# KiCad board USB Keypad.kicad_pcb (continued)
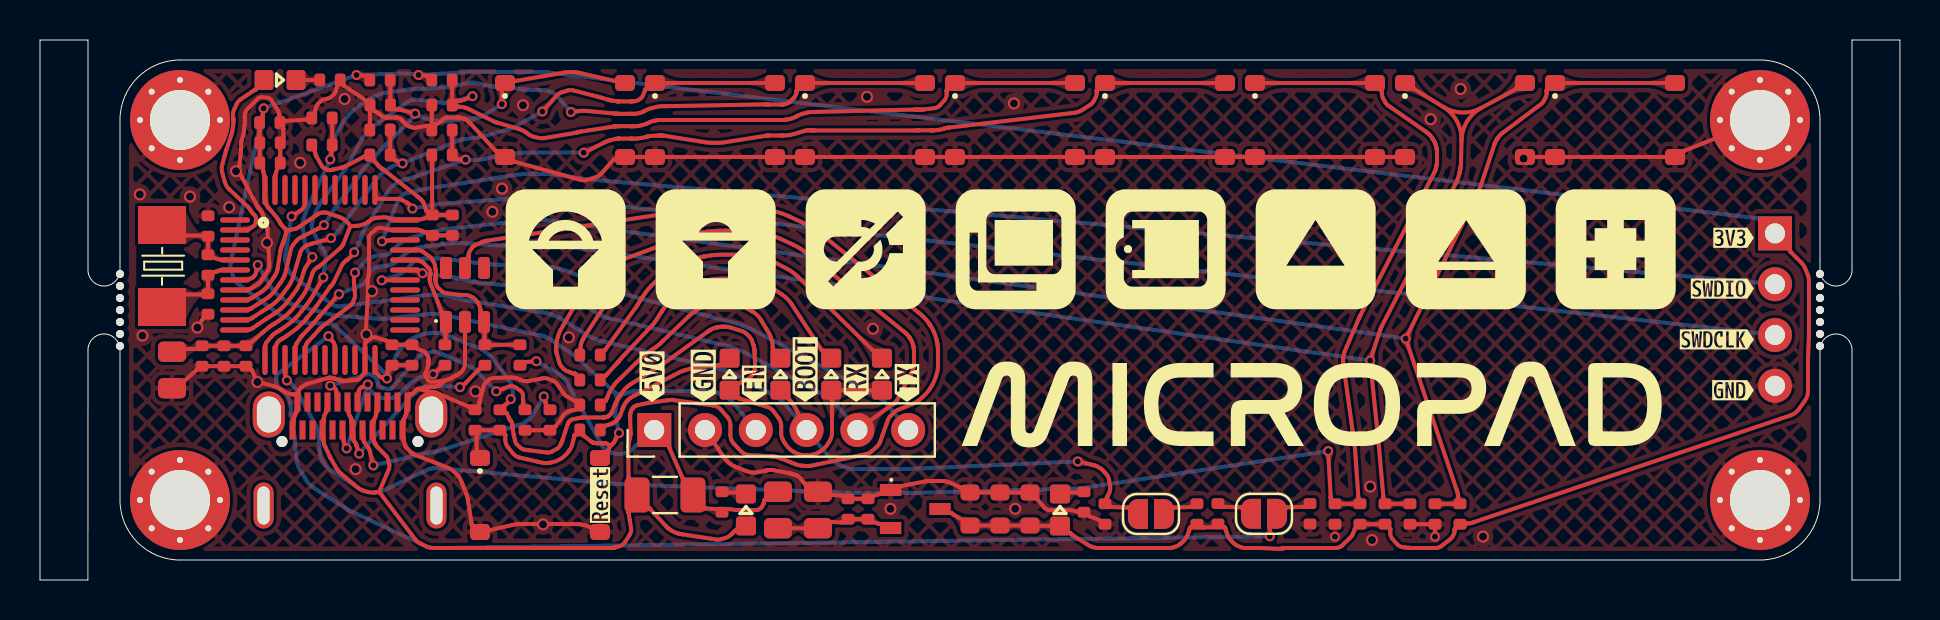
[diagram p0: board, top side]
## Routing (per net, layer and track width the routed paths; a pad name or vN(x,y) marks a point on that pad's centre or on a via; arc(x,y) is an arc through that point) (continued)
VBUS: length 87
  Top w0.2: 29.65,4.66 29.43,5.12 arc(29.43,5.12) 29.43,5.12 arc(29.43,5.12) 29.43,5.12 29.43,5.12 arc(29.43,5.13) 29.43,5.13 29.41,6.63 29.41,6.66 arc(29.41,6.67) 29.41,6.68 29.41,6.7 arc(29.42,6.71) 29.42,6.73 29.52,7.25 arc(29.52,7.27) 29.53,7.28 29.53,7.32 arc(29.53,7.33) 29.53,7.35 29.53,7.38 29.5,8.16 arc(29.5,8.16) 29.5,8.17 arc(29.5,8.17) 29.5,8.17 29.5,8.18 arc(29.5,8.18) 29.5,8.19 arc(29.5,8.19) 29.5,8.19 29.51,8.28 arc(29.51,8.29) 29.51,8.3 29.51,8.32 arc(29.52,8.33) 29.52,8.34 29.56,8.46 arc(29.56,8.48) 29.57,8.49 29.59,8.52 arc(29.59,8.54) 29.6,8.55 29.68,8.64 arc(29.7,8.66) 29.73,8.68 29.79,8.71 arc(29.81,8.72) 29.85,8.73 30.4,8.85 arc(30.41,8.85) 30.41,8.85 arc(30.42,8.85) 30.42,8.86 30.43,8.86 arc(30.43,8.86) 30.44,8.86 arc(30.44,8.86) 30.45,8.86 31.37,8.98 arc(31.37,8.99) 31.38,8.99 31.5,9 arc(31.52,9) 31.54,9 31.58,9 arc(31.61,9) 31.63,9 33.18,8.79 33.66,8.73 arc(33.87,8.66) 34.05,8.52 34.36,8.16 arc(34.48,7.96) 34.52,7.74 34.52,7.25 arc(34.56,7.01) 34.69,6.81 35.04,6.44 arc(35.23,6.3) 35.46,6.25 36.57,6.18 36.67,6.18 arc(36.72,6.17) 36.77,6.16 36.87,6.14 arc(36.92,6.13) 36.97,6.11 37.06,6.07 37.79,5.78 arc(37.91,5.74) 38.04,5.72 38.31,5.7 arc(38.44,5.7) 38.57,5.72 38.83,5.77 40.97,6.22 41.29,6.29 arc(41.45,6.35) 41.58,6.44 41.83,6.65 arc(41.94,6.78) 42.01,6.92 42.31,7.76 42.39,7.99 arc(42.44,8.1) 42.52,8.19 42.68,8.37 arc(42.77,8.44) 42.88,8.5 43.62,8.79 arc(43.77,8.87) 43.91,8.97 44.05,9.08 arc(44.29,9.31) 44.51,9.58 arc(44.68,9.87) 44.8,10.19 44.85,10.36 arc(44.89,10.52) 44.9,10.69 44.9,11.47 arc(44.9,11.53) 44.9,11.58 44.88,11.7 arc(44.88,11.75) 44.87,11.81 44.82,12.03 arc(44.8,12.14) 44.76,12.25 44.67,12.46 arc(44.62,12.56) 44.57,12.65 44.46,12.81 44.42,12.87 arc(44.37,12.94) 44.31,13.01 44.19,13.14 arc(44.13,13.2) 44.07,13.26 43.93,13.37 39.65,16.82 38.98,17.36 arc(38.63,17.61) 38.25,17.81 37.47,18.18 arc(37.07,18.33) 36.66,18.44 36.04,18.56 arc(35.87,18.59) 35.7,18.61 35.35,18.65 arc(35.18,18.66) 35,18.67 34,18.67 arc(33.86,18.66) 33.73,18.66 33.47,18.64 arc(33.33,18.62) 33.2,18.61 32.94,18.57 22.38,16.97 22.32,16.96 arc(22.29,16.96) 22.26,16.95 22.2,16.93 arc(22.17,16.92) 22.14,16.91 21.73,16.72 arc(21.65,16.67) 21.59,16.6 21.48,16.43 arc(21.44,16.34) 21.43,16.25 21.43,16.15 arc(21.43,16.15) 21.43,16.15 arc(21.43,16.15) 21.43,16.15 arc(21.43,16.14) 21.43,16.14 ESD1.5 ; 29.65,4.66 arc(29.88,4.27) 30.16,3.91 ; 29.65,4.66 arc(29.74,4.25) 29.65,3.84 ; 29.65,3.84 29.43,3.38 arc(29.43,3.38) 29.43,3.38 arc(29.43,3.38) 29.43,3.38 arc(29.43,3.38) 29.43,3.38 29.43,3.37 arc(29.43,3.37) 29.43,3.37 arc(29.43,3.37) 29.43,3.36 29.55,2.61 arc(29.55,2.42) 29.47,2.24 29.26,1.9 arc(29.12,1.76) 28.95,1.68 28.76,1.63 arc(28.76,1.63) 28.75,1.63 arc(28.75,1.63) 28.75,1.63 28.72,1.62 arc(28.69,1.62) 28.66,1.61 28.6,1.6 arc(28.56,1.6) 28.53,1.6 28.51,1.6 arc(28.5,1.6) 28.49,1.6 28.48,1.6 arc(28.48,1.6) 28.48,1.6 arc(28.48,1.6) 28.47,1.6 28.47,1.6 arc(28.46,1.6) 28.45,1.6 27.5,1.6 26.77,1.6 26.57,1.6 26.25,1.6 23.75,1.6 22.8,1.6 22.7,1.6 arc(22.7,1.6) 22.7,1.6 22.51,1.6 arc(22.5,1.6) 22.5,1.6 arc(22.5,1.6) 22.5,1.6 22.48,1.6 arc(22.48,1.6) 22.48,1.6 arc(22.48,1.6) 22.47,1.6 22.47,1.6 arc(22.46,1.6) 22.45,1.6 21.56,1.6 20.39,1.6 19.65,1.6 arc(19.48,1.62) 19.32,1.68 19.01,1.83 arc(18.87,1.92) 18.75,2.05 18.54,2.32 17,4.36 ; 29.65,3.84 arc(29.88,4.01) 30.16,3.91 ; J2.A9 16.83,8.58 arc(16.83,8.53) 16.82,8.48 16.82,8.42 arc(16.82,8.41) 16.82,8.4 16.82,8.39 arc(16.82,8.38) 16.82,8.37 arc(16.82,8.37) 16.82,8.36 16.79,8.23 arc(16.78,8.2) 16.77,8.16 16.74,8.08 arc(16.72,8.05) 16.7,8.02 16.68,7.99 arc(16.68,7.98) 16.68,7.98 arc(16.68,7.98) 16.68,7.97 16.68,7.93 arc(16.67,7.88) 16.67,7.83 16.65,7.69 arc(16.64,7.5) 16.65,7.31 16.67,7.18 arc(16.67,7.13) 16.68,7.08 16.68,7.02 arc(16.68,7.02) 16.68,7.02 16.68,7.01 arc(16.68,7.01) 16.68,7.01 16.69,6.95 arc(16.69,6.94) 16.7,6.92 16.71,6.9 arc(16.71,6.88) 16.72,6.87 16.73,6.86 arc(16.73,6.86) 16.73,6.86 arc(16.74,6.85) 16.74,6.85 16.74,6.84 arc(16.75,6.83) 16.75,6.82 16.77,6.8 arc(16.77,6.79) 16.78,6.78 16.79,6.77 arc(16.79,6.76) 16.8,6.75 16.8,6.74 arc(16.81,6.73) 16.82,6.71 16.84,6.68 arc(16.86,6.67) 16.87,6.65 17.15,6.37 17.31,6.2 arc(17.38,6.1) 17.42,6 17.46,5.76 arc(17.47,5.64) 17.44,5.53 16.98,4.46 ; 16.9,4.4 16.7,4.37 arc(16.56,4.37) 16.42,4.39 16.15,4.47 arc(16.02,4.53) 15.91,4.6 15.05,5.32 arc(15,5.36) 14.96,5.41 14.88,5.5 arc(14.85,5.55) 14.81,5.6 14.51,6.13 arc(14.51,6.14) 14.51,6.14 14.5,6.16 arc(14.49,6.17) 14.49,6.18 14.27,6.65 14.23,6.73 arc(14.22,6.77) 14.2,6.81 14.18,6.9 arc(14.18,6.94) 14.18,6.98 14.18,7.08 arc(14.17,7.13) 14.17,7.18 14.15,7.31 arc(14.14,7.5) 14.15,7.69 14.17,7.83 arc(14.17,7.88) 14.18,7.93 14.18,7.98 arc(14.18,7.99) 14.18,8 14.18,8.01 arc(14.18,8.02) 14.18,8.03 arc(14.18,8.03) 14.18,8.04 14.21,8.17 arc(14.22,8.21) 14.23,8.24 14.26,8.31 arc(14.28,8.35) 14.3,8.38 14.32,8.42 arc(14.32,8.43) 14.32,8.43 14.32,8.48 arc(14.33,8.53) 14.33,8.58 J2.A4 ; 16.9,4.4 arc(16.95,4.42) 16.98,4.46 ; 16.9,4.4 arc(16.95,4.39) 17,4.36 ; 17,4.36 arc(16.98,4.41) 16.98,4.46 ; 30.16,3.91 30.47,3.58 arc(30.47,3.58) 30.47,3.58 arc(30.47,3.58) 30.47,3.58 arc(30.47,3.58) 30.48,3.57 30.48,3.57 arc(30.48,3.57) 30.48,3.57 arc(30.49,3.57) 30.49,3.57 arc(30.49,3.57) 30.49,3.57 30.49,3.57 arc(30.49,3.56) 30.49,3.56 30.5,3.56 arc(30.5,3.56) 30.5,3.56 arc(30.5,3.55) 30.5,3.55 31.27,2.73 31.31,2.68 arc(31.33,2.65) 31.36,2.63 31.41,2.59 arc(31.43,2.57) 31.46,2.55 31.61,2.45 arc(31.66,2.42) 31.71,2.4 31.81,2.36 arc(31.86,2.34) 31.91,2.33 32.04,2.3 arc(32.06,2.3) 32.08,2.29 arc(32.11,2.29) 32.13,2.28 33.81,2.02 arc(33.93,2.02) 34.05,2.04 34.28,2.1 arc(34.39,2.15) 34.49,2.22 34.61,2.32 arc(34.62,2.33) 34.64,2.35 34.67,2.38 arc(34.69,2.4) 34.7,2.41 34.73,2.45 arc(34.74,2.46) 34.75,2.46 34.77,2.47 arc(34.78,2.47) 34.79,2.48 34.85,2.48 arc(34.9,2.48) 34.94,2.5 LED1.2
/BOOT0: length 54.3
  Top w0.2: JP2.1 54.41,3.62 arc(54.41,3.62) 54.41,3.62 54.41,3.62 arc(54.4,3.62) 54.4,3.62 53.57,3.65 arc(53.57,3.65) 53.57,3.65 53.57,3.65 arc(53.57,3.65) 53.56,3.65 53.33,3.77 arc(53.29,3.82) 53.29,3.9 53.31,3.94 arc(53.33,3.98) 53.34,4.03 53.34,4.09 arc(53.34,4.09) 53.34,4.1 53.34,4.11 arc(53.34,4.12) 53.34,4.12 53.36,4.15 arc(53.36,4.16) 53.37,4.17 arc(53.37,4.18) 53.38,4.19 53.39,4.21 arc(53.39,4.22) 53.4,4.23 53.4,4.24 arc(53.4,4.24) 53.4,4.24 arc(53.4,4.24) 53.41,4.24 53.47,4.39 arc(53.51,4.54) 53.51,4.69 53.46,5 arc(53.41,5.15) 53.33,5.28 53.15,5.47 arc(53.09,5.53) 53.02,5.58 52.88,5.67 arc(52.8,5.71) 52.72,5.73 v2(51.89,5.93) ; U1.44 13.25,18.82 arc(13.24,18.76) 13.22,18.71 13.16,18.6 arc(13.13,18.55) 13.08,18.51 12.68,18.23 arc(12.67,18.23) 12.66,18.22 12.63,18.21 arc(12.62,18.2) 12.61,18.19 v2(12.58,18.18) ; LED7.2 37.44,9.05 arc(37.45,9.04) 37.46,9.03 37.52,8.97 arc(37.57,8.91) 37.61,8.85 37.7,8.72 arc(37.74,8.66) 37.78,8.59 J1.4
  Bottom w0.2: v2(51.89,5.93) 43.54,5.55 arc(43.5,5.55) 43.45,5.55 arc(43.41,5.55) 43.37,5.55 41.09,5.55 40.65,5.55 arc(40.44,5.57) 40.24,5.64 39.85,5.83 arc(39.67,5.94) 39.51,6.08 J1.4 37.35,8.68 37.23,8.82 arc(37.16,8.89) 37.09,8.95 36.95,9.07 arc(36.87,9.13) 36.79,9.17 36.63,9.26 34.83,10.23 34.65,10.33 arc(34.55,10.37) 34.46,10.41 34.27,10.48 arc(34.17,10.52) 34.07,10.54 33.87,10.59 28.22,11.91 28.02,11.96 arc(27.92,11.99) 27.82,12.03 27.63,12.11 arc(27.53,12.15) 27.44,12.2 27.26,12.31 26.22,12.96 26.01,13.09 arc(25.9,13.15) 25.79,13.2 25.56,13.28 arc(25.45,13.32) 25.33,13.34 25.09,13.38 21.63,13.94 21.41,13.97 arc(21.3,13.99) 21.19,14.01 20.98,14.05 arc(20.87,14.08) 20.77,14.1 20.43,14.19 arc(20.25,14.22) 20.05,14.24 19.67,14.26 arc(19.48,14.26) 19.29,14.25 18.9,14.19 17.24,13.96 arc(17.23,13.96) 17.22,13.95 arc(17.21,13.95) 17.2,13.95 15.08,13.69 14.97,13.67 arc(14.91,13.67) 14.85,13.68 14.74,13.71 arc(14.69,13.73) 14.64,13.76 12.99,14.94 12.68,15.16 arc(12.54,15.29) 12.45,15.45 12.3,15.81 arc(12.25,15.99) 12.26,16.17 12.32,16.55 12.54,17.99 12.55,18.03 arc(12.55,18.05) 12.56,18.07 12.56,18.11 arc(12.57,18.13) 12.57,18.15 12.58,18.16 arc(12.58,18.17) 12.58,18.17 v2(12.58,18.18)
/BOOT1: length 62.3
  Top w0.2: U1.20 14.75,11.66 arc(14.75,11.7) 14.74,11.74 14.71,11.83 arc(14.69,11.87) 14.66,11.9 v2(14.42,12.19) ; R9.2 63.19,3.66 arc(63.18,3.66) 63.18,3.66 63.18,3.66 arc(63.18,3.66) 63.18,3.66 arc(63.18,3.66) 63.18,3.66 62.35,3.63 arc(62.35,3.63) 62.34,3.63 62.34,3.63 arc(62.34,3.63) 62.34,3.63 62.09,3.47 arc(61.88,3.29) 61.71,3.05 61.51,2.7 arc(61.5,2.66) 61.49,2.61 v2(61.49,2.18)
  Bottom w0.2: v2(61.49,2.18) 19.92,1.6 arc(19.68,1.61) 19.43,1.65 arc(19.35,1.67) 19.27,1.7 19.12,1.77 15.63,3.4 15.55,3.44 arc(15.51,3.46) 15.47,3.47 15.4,3.52 arc(15.36,3.54) 15.33,3.56 15.26,3.6 14.21,4.27 13.71,4.59 arc(13.48,4.78) 13.3,5.01 12.99,5.53 arc(12.87,5.79) 12.81,6.08 12.77,6.68 12.73,7.15 arc(12.73,7.15) 12.73,7.15 arc(12.73,7.16) 12.73,7.16 12.54,8.65 12.5,8.88 arc(12.48,8.99) 12.43,9.1 12.3,9.3 arc(12.23,9.39) 12.14,9.46 12.05,9.53 11.93,9.61 arc(11.84,9.7) 11.81,9.82 11.8,10.1 arc(11.83,10.23) 11.91,10.33 12.14,10.49 v2(14.42,12.19)
/CC1: length 13.5
  Top w0.2: v2(22.81,9.43) 22.81,9.44 arc(22.82,9.44) 22.82,9.44 22.83,9.44 arc(22.84,9.44) 22.85,9.45 23.47,9.68 arc(23.61,9.7) 23.75,9.65 24.01,9.47 arc(24.11,9.37) 24.15,9.23 24.16,8.79 arc(24.16,8.78) 24.16,8.78 arc(24.16,8.78) 24.16,8.78 24.16,8.73 arc(24.17,8.68) 24.19,8.64 R13.1 ; v2(14.51,9.72) 14.7,9.62 arc(14.73,9.6) 14.76,9.57 14.8,9.5 arc(14.82,9.46) 14.82,9.42 14.82,9.33 arc(14.83,9.28) 14.83,9.23 J2.A5
  Bottom w0.2: v2(22.81,9.43) 21.79,10.49 arc(21.75,10.53) 21.7,10.56 21.61,10.63 arc(21.56,10.66) 21.51,10.68 21.41,10.72 19.93,11.37 arc(19.76,11.42) 19.58,11.41 19.23,11.32 arc(19.07,11.26) 18.93,11.15 18.7,10.87 17.82,9.86 17.63,9.64 arc(17.52,9.56) 17.39,9.56 17.11,9.61 arc(16.99,9.67) 16.92,9.78 16.87,9.92 arc(16.87,9.92) 16.87,9.93 arc(16.87,9.93) 16.87,9.93 16.84,10.03 arc(16.79,10.11) 16.71,10.17 16.53,10.27 arc(16.44,10.3) 16.34,10.28 16.15,10.22 v2(14.51,9.72)
/CC2: length 12.2
  Top w0.2: R14.1 25.3,8.77 arc(25.29,8.78) 25.29,8.79 arc(25.29,8.8) 25.29,8.81 25.29,8.84 arc(25.29,8.85) 25.28,8.86 25.28,8.87 arc(25.28,8.87) 25.28,8.88 arc(25.28,8.88) 25.28,8.89 25.28,8.92 arc(25.27,8.96) 25.26,9 25.24,9.07 arc(25.23,9.11) 25.21,9.14 25.19,9.17 arc(25.19,9.17) 25.19,9.17 v2(25.19,9.18) ; v2(16.66,5.73) 16.48,6.47 arc(16.47,6.5) 16.46,6.53 16.44,6.58 arc(16.43,6.6) 16.41,6.62 16.23,6.86 arc(16.22,6.88) 16.22,6.89 16.2,6.92 arc(16.2,6.93) 16.19,6.95 16.18,6.99 arc(16.18,7.03) 16.18,7.06 16.18,7.08 arc(16.17,7.13) 16.17,7.18 J2.B5
  Bottom w0.2: v2(16.66,5.73) 19.14,6.3 arc(19.14,6.3) 19.14,6.3 arc(19.14,6.3) 19.15,6.3 19.15,6.3 arc(19.15,6.3) 19.15,6.3 arc(19.15,6.3) 19.15,6.3 19.16,6.3 arc(19.17,6.31) 19.17,6.31 19.22,6.32 arc(19.28,6.34) 19.33,6.36 19.45,6.38 arc(19.51,6.39) 19.56,6.4 19.75,6.42 arc(19.79,6.42) 19.83,6.43 19.91,6.45 arc(19.95,6.46) 19.99,6.47 20.07,6.49 23.84,7.73 24.07,7.8 arc(24.18,7.85) 24.28,7.92 24.47,8.07 arc(24.56,8.15) 24.63,8.25 v2(25.19,9.18)
/Copy: length 54.2
  Top w0.2: 20.61,23.85 R20.2 ; 20.61,23.85 arc(20.63,23.76) 20.7,23.71 ; 20.61,23.85 arc(20.64,23.8) 20.68,23.81 ; v2(21.63,24.19) 21.2,24.02 arc(21.16,24) 21.11,23.99 21.02,23.97 arc(20.97,23.96) 20.93,23.96 20.88,23.96 arc(20.88,23.96) 20.87,23.96 20.68,23.81 ; 20.68,23.81 arc(20.66,23.76) 20.7,23.71 ; U1.13 11.25,11.66 arc(11.25,11.7) 11.27,11.75 11.3,11.83 arc(11.32,11.87) 11.34,11.91 11.61,12.22 arc(11.63,12.24) 11.66,12.27 11.71,12.31 arc(11.74,12.33) 11.77,12.35 11.92,12.44 arc(11.94,12.46) 11.97,12.47 12.02,12.5 arc(12.04,12.52) 12.07,12.54 arc(12.09,12.55) 12.11,12.57 12.42,12.79 arc(12.52,12.86) 12.61,12.94 12.78,13.1 arc(12.86,13.18) 12.94,13.27 13.38,13.82 arc(13.42,13.87) 13.46,13.92 13.53,14.03 arc(13.56,14.08) 13.59,14.13 13.66,14.24 v2(14.16,15.13) ; SW5.2 45.95,24.85 arc(45.76,24.82) 45.6,24.72 45.34,24.49 arc(45.34,24.49) 45.34,24.49 arc(45.34,24.49) 45.34,24.48 45.34,24.48 arc(45.34,24.48) 45.34,24.48 45.33,24.47 arc(45.33,24.47) 45.33,24.47 arc(45.33,24.46) 45.33,24.46 45.33,24.46 arc(45.33,24.46) 45.33,24.45 45.33,24.28 arc(45.31,24.13) 45.22,23.99 45,23.74 arc(44.88,23.64) 44.72,23.59 44.18,23.53 arc(44.16,23.52) 44.15,23.52 arc(44.14,23.52) 44.12,23.52 44.09,23.52 arc(44.08,23.52) 44.06,23.52 43.98,23.52 arc(43.95,23.52) 43.92,23.52 43.91,23.52 arc(43.9,23.52) 43.89,23.52 arc(43.88,23.52) 43.87,23.52 43.86,23.52 arc(43.84,23.52) 43.82,23.52 43.78,23.52 arc(43.76,23.52) 43.74,23.52 43.69,23.52 38.8,23.41 38.58,23.4 arc(38.46,23.39) 38.35,23.37 38.13,23.31 arc(38.03,23.28) 37.92,23.23 37.74,23.14 arc(37.68,23.11) 37.61,23.08 37.47,23.04 arc(37.41,23.03) 37.34,23.02 37.24,23.01 arc(37.23,23.01) 37.21,23 arc(37.19,23) 37.18,23 37.14,23 arc(37.12,23) 37.11,23 36.26,23 31.25,23 arc(31.24,23) 31.24,23 31.2,23 arc(31.2,23) 31.19,23 30.97,23 arc(30.9,23) 30.82,22.98 30.67,22.95 arc(30.6,22.93) 30.53,22.91 30.3,22.8 arc(30.2,22.77) 30.1,22.74 29.9,22.7 arc(29.8,22.69) 29.7,22.69 29.59,22.69 arc(29.59,22.69) 29.58,22.69 29.57,22.69 arc(29.55,22.69) 29.53,22.69 28.97,22.69 arc(28.95,22.69) 28.93,22.69 arc(28.9,22.69) 28.88,22.69 28.81,22.69 arc(28.8,22.69) 28.79,22.68 28.76,22.68 arc(28.75,22.68) 28.74,22.68 arc(28.73,22.68) 28.72,22.68 28.71,22.68 arc(28.69,22.67) 28.68,22.67 arc(28.66,22.67) 28.65,22.67 27.04,22.42 27,22.42 arc(26.98,22.41) 26.96,22.41 26.92,22.4 arc(26.9,22.39) 26.88,22.39 26.85,22.38 arc(26.83,22.37) 26.81,22.37 26.78,22.36 arc(26.76,22.35) 26.74,22.35 25.47,22.14 25.2,22.09 arc(25.07,22.09) 24.94,22.1 24.68,22.16 arc(24.56,22.21) 24.44,22.27 24.34,22.35 arc(24.34,22.35) 24.33,22.36 24.33,22.36 arc(24.32,22.36) 24.32,22.36 arc(24.31,22.37) 24.31,22.37 24.25,22.42 arc(24.21,22.44) 24.17,22.46 24.09,22.5 arc(24.05,22.52) 24.01,22.53 23.92,22.56 22.8,22.89 arc(22.78,22.89) 22.76,22.9 22.73,22.91 arc(22.71,22.92) 22.69,22.93 21.55,23.49 21.41,23.56 arc(21.34,23.59) 21.26,23.61 21.11,23.65 arc(21.04,23.66) 20.96,23.66 20.83,23.66 arc(20.78,23.67) 20.74,23.69 20.7,23.71
  Bottom w0.2: v2(14.16,15.13) 14.29,16.15 arc(14.29,16.22) 14.27,16.3 14.22,16.44 arc(14.19,16.51) 14.14,16.57 14.06,16.64 arc(14.04,16.67) 14.03,16.69 13.99,16.74 arc(13.97,16.77) 13.96,16.79 13.62,17.54 arc(13.6,17.59) 13.59,17.65 13.59,17.76 arc(13.59,17.81) 13.6,17.86 13.66,18.09 arc(13.71,18.24) 13.78,18.39 13.93,18.68 arc(14,18.83) 14.09,18.96 15.23,20.48 15.24,20.51 arc(15.25,20.52) 15.26,20.53 15.28,20.56 arc(15.29,20.57) 15.29,20.58 15.31,20.61 15.99,21.85 16.12,22.09 arc(16.19,22.2) 16.28,22.31 16.45,22.5 arc(16.55,22.6) 16.65,22.68 18.3,23.85 18.41,23.92 arc(18.46,23.95) 18.52,23.97 18.65,24.01 arc(18.71,24.02) 18.77,24.02 19.86,23.89 20.07,23.87 arc(20.17,23.86) 20.28,23.87 20.49,23.88 arc(20.59,23.9) 20.69,23.92 v2(21.63,24.19)
/D+: length 9.1
  Top w0.2: U1.33 18.9,16.5 arc(18.94,16.5) 18.98,16.49 19.06,16.46 arc(19.09,16.45) 19.13,16.43 19.47,16.18 arc(19.53,16.12) 19.59,16.05 19.68,15.9 arc(19.72,15.82) 19.74,15.74 19.8,15.42 arc(19.8,15.4) 19.8,15.37 19.8,15.32 arc(19.8,15.29) 19.8,15.26 19.77,15.11 arc(19.77,15.11) 19.77,15.11 19.77,15.1 arc(19.77,15.1) 19.77,15.1 arc(19.77,15.1) 19.77,15.1 arc(19.77,15.1) 19.77,15.1 arc(19.77,15.1) 19.77,15.1 19.77,15.09 arc(19.77,15.09) 19.77,15.08 19.77,15.07 arc(19.77,15.06) 19.77,15.06 19.77,15.03 arc(19.77,15) 19.77,14.98 19.78,14.94 arc(19.78,14.91) 19.79,14.89 19.79,14.87 arc(19.79,14.87) 19.79,14.87 arc(19.79,14.87) 19.79,14.86 19.82,14.76 arc(19.87,14.66) 19.94,14.58 20.11,14.43 arc(20.2,14.37) 20.3,14.34 20.52,14.31 20.93,14.26 arc(20.94,14.26) 20.95,14.26 arc(20.96,14.26) 20.98,14.26 21,14.25 arc(21.01,14.25) 21.02,14.25 21.04,14.25 arc(21.05,14.25) 21.06,14.25 21.29,14.25 arc(21.38,14.24) 21.47,14.21 21.63,14.13 arc(21.71,14.08) 21.77,14.02 21.9,13.85 arc(21.93,13.8) 21.96,13.75 22,13.64 arc(22.01,13.59) 22.02,13.53 22.02,13.46 arc(22.02,13.45) 22.03,13.43 22.13,13.11 arc(22.19,12.9) 22.21,12.67 22.22,12.5 arc(22.22,12.45) 22.23,12.4 22.23,11.98 arc(22.23,11.93) 22.23,11.88 22.24,11.85 arc(22.27,11.78) 22.34,11.76 R4.2
/D-: length 5.3
  Top w0.2: U1.32 18.78,16 arc(18.86,15.99) 18.95,15.97 19.05,15.93 arc(19.08,15.92) 19.1,15.91 19.14,15.88 arc(19.16,15.86) 19.18,15.85 19.45,15.58 arc(19.48,15.53) 19.5,15.49 19.52,15.38 arc(19.53,15.33) 19.52,15.28 19.51,15.23 arc(19.51,15.23) 19.51,15.23 arc(19.51,15.22) 19.5,15.22 19.5,15.21 arc(19.5,15.2) 19.5,15.19 19.49,15.17 arc(19.49,15.16) 19.49,15.15 19.49,15.14 arc(19.49,15.14) 19.49,15.14 arc(19.49,15.14) 19.49,15.14 19.48,15.1 arc(19.48,15.06) 19.48,15.02 19.49,14.94 arc(19.5,14.9) 19.51,14.86 19.88,13.91 arc(19.89,13.9) 19.89,13.89 arc(19.89,13.89) 19.89,13.88 20.06,13.43 arc(20.06,13.43) 20.07,13.43 20.07,13.42 arc(20.07,13.42) 20.07,13.42 arc(20.07,13.42) 20.07,13.42 20.21,13.11 arc(20.27,12.9) 20.29,12.67 20.28,12.5 arc(20.28,12.45) 20.27,12.4 20.27,11.98 arc(20.27,11.93) 20.27,11.88 R2.2
/Eject: length 88.2
  Top w0.2: U1.16 12.75,11.53 arc(12.76,11.61) 12.78,11.7 12.82,11.79 arc(12.82,11.8) 12.83,11.82 12.84,11.84 arc(12.85,11.86) 12.85,11.87 13.01,12.1 arc(13.02,12.11) 13.03,12.13 arc(13.04,12.14) 13.05,12.15 13.07,12.18 arc(13.08,12.19) 13.09,12.21 13.37,12.5 arc(13.46,12.6) 13.55,12.7 13.63,12.79 arc(13.64,12.8) 13.65,12.81 arc(13.66,12.82) 13.66,12.83 arc(13.67,12.84) 13.68,12.85 13.93,13.13 arc(13.93,13.14) 13.93,13.14 arc(13.93,13.14) 13.93,13.14 13.94,13.15 arc(13.95,13.16) 13.96,13.17 arc(13.97,13.19) 13.98,13.2 v2(14.95,14.29) ; SW8.1 68.71,24.54 arc(68.72,24.54) 68.72,24.54 70.17,23.65 ; C38.1 67.35,3.81 arc(67.26,3.83) 67.21,3.9 67.19,3.94 arc(67.17,3.98) 67.16,4.03 67.16,4.1 arc(67.16,4.13) 67.16,4.15 67.16,4.2 arc(67.16,4.23) 67.16,4.25 67.15,4.3 66.95,6.65 arc(66.95,6.67) 66.94,6.69 arc(66.94,6.71) 66.94,6.73 v2(66.51,10.97) 66.99,12.46 67.01,12.51 arc(67.02,12.54) 67.03,12.56 67.05,12.61 arc(67.06,12.64) 67.07,12.66 67.1,12.71 70.74,19.74 70.82,19.89 arc(70.85,19.96) 70.88,20.04 70.93,20.19 arc(70.96,20.27) 70.98,20.34 71.02,20.55 arc(71.02,20.6) 71.03,20.65 71.04,20.75 arc(71.05,20.8) 71.05,20.85 71.05,20.94 71.08,21.99 ; 72.06,23.6 73.78,24.54 73.79,24.54 arc(73.79,24.54) 73.79,24.54 SW8.2 ; 72.06,23.6 arc(71.35,22.93) 71.08,21.99 ; 72.06,23.6 arc(71.11,23.37) 70.17,23.65 ; 70.17,23.65 arc(70.85,22.94) 71.08,21.99
  Bottom w0.2: v2(14.95,14.29) 16.08,14.75 arc(16.15,14.79) 16.21,14.84 16.31,14.96 arc(16.36,15.02) 16.39,15.09 16.41,15.16 arc(16.41,15.17) 16.42,15.18 arc(16.42,15.18) 16.42,15.19 16.45,15.29 arc(16.49,15.38) 16.57,15.46 16.74,15.6 arc(16.83,15.65) 16.93,15.67 17.28,15.69 arc(17.38,15.71) 17.48,15.74 17.68,15.82 arc(17.77,15.87) 17.85,15.93 18.2,16.24 18.34,16.36 arc(18.41,16.42) 18.49,16.46 18.66,16.54 arc(18.75,16.58) 18.84,16.6 19.02,16.63 19.74,16.73 20.12,16.79 arc(20.31,16.81) 20.51,16.83 20.89,16.84 arc(21.09,16.85) 21.28,16.84 21.67,16.81 22.45,16.76 22.8,16.74 arc(22.98,16.73) 23.15,16.73 23.5,16.74 arc(23.68,16.75) 23.85,16.77 24.26,16.83 arc(24.49,16.85) 24.72,16.85 25.18,16.84 arc(25.4,16.83) 25.63,16.8 26.27,16.69 arc(26.35,16.67) 26.43,16.66 arc(26.51,16.64) 26.6,16.63 v2(66.51,10.97)
/MCU_RX: length 54.8
  Top w0.2: U1.31 18.71,15.5 arc(18.86,15.48) 18.99,15.42 v2(19.12,15.34) ; J1.5 42.51,8.7 42.54,8.72 arc(42.55,8.73) 42.57,8.74 42.59,8.76 arc(42.61,8.77) 42.62,8.77 42.63,8.78 arc(42.64,8.78) 42.64,8.79 42.65,8.79 arc(42.65,8.79) 42.65,8.79 arc(42.65,8.79) 42.66,8.8 42.7,8.82 arc(42.7,8.83) 42.71,8.83 arc(42.72,8.84) 42.73,8.84 42.74,8.85 arc(42.75,8.86) 42.75,8.86 arc(42.76,8.87) 42.76,8.88 42.8,8.92 arc(42.81,8.93) 42.82,8.93 42.83,8.95 arc(42.83,8.96) 42.84,8.97 arc(42.84,8.97) 42.84,8.98 43.54,10.29 43.6,10.41 arc(43.63,10.47) 43.65,10.53 43.68,10.66 arc(43.7,10.73) 43.7,10.8 43.7,11.44 arc(43.7,11.47) 43.7,11.5 43.69,11.55 arc(43.69,11.58) 43.68,11.6 43.66,11.74 arc(43.64,11.79) 43.63,11.84 43.59,11.94 arc(43.56,11.99) 43.53,12.04 43.49,12.11 arc(43.49,12.11) 43.49,12.11 arc(43.49,12.11) 43.49,12.11 43.45,12.17 arc(43.42,12.2) 43.4,12.23 43.34,12.29 arc(43.31,12.32) 43.28,12.35 43.21,12.4 38.84,15.93 38.28,16.38 arc(37.99,16.58) 37.68,16.75 37.03,17.06 arc(36.7,17.19) 36.36,17.28 35.83,17.38 arc(35.69,17.41) 35.55,17.42 35.26,17.45 arc(35.12,17.46) 34.97,17.47 33.99,17.47 arc(33.84,17.46) 33.7,17.45 33.41,17.42 arc(33.27,17.41) 33.13,17.38 32.95,17.35 arc(32.94,17.34) 32.93,17.34 32.8,17.32 arc(32.68,17.29) 32.57,17.26 32.35,17.2 arc(32.25,17.17) 32.14,17.13 31.92,17.05 28.34,15.73 28.12,15.65 arc(28.01,15.6) 27.92,15.53 27.74,15.38 arc(27.66,15.3) 27.59,15.2 26.15,12.72 26.02,12.49 arc(25.96,12.37) 25.92,12.25 25.85,12 arc(25.82,11.87) 25.81,11.74 25.81,11.6 arc(25.81,11.59) 25.81,11.59 25.81,11.56 arc(25.81,11.55) 25.81,11.55 arc(25.81,11.55) 25.81,11.55 25.81,11.52 arc(25.81,11.48) 25.82,11.45 25.82,11.39 arc(25.83,11.36) 25.84,11.32 25.86,11.26 25.97,10.86 arc(26,10.77) 26.06,10.7 26.18,10.56 arc(26.25,10.49) 26.33,10.45 26.59,10.35 arc(26.61,10.34) 26.63,10.34 26.67,10.33 arc(26.69,10.32) 26.71,10.32 26.73,10.32 arc(26.73,10.32) 26.74,10.32 arc(26.74,10.32) 26.74,10.32 26.74,10.31 arc(26.75,10.31) 26.75,10.31 26.76,10.31 arc(26.76,10.31) 26.77,10.31 26.77,10.31 arc(26.77,10.31) 26.77,10.3 26.77,10.3 arc(26.77,10.3) 26.77,10.3 arc(26.77,10.3) 26.78,10.3 26.78,10.3 arc(26.78,10.3) 26.78,10.3 arc(26.78,10.3) 26.78,10.3 arc(26.78,10.3) 26.78,10.29 R12.2
  Bottom w0.2: v2(19.12,15.34) 20.19,15.21 20.34,15.19 arc(20.41,15.18) 20.49,15.16 20.64,15.13 arc(20.71,15.12) 20.78,15.1 21.05,15.04 arc(21.2,15) 21.36,14.97 21.67,14.91 arc(21.82,14.89) 21.98,14.87 22.29,14.84 25.02,14.55 25.39,14.51 arc(25.57,14.48) 25.76,14.43 26.11,14.31 arc(26.29,14.24) 26.45,14.16 26.78,13.97 27.63,13.48 arc(27.66,13.47) 27.68,13.45 arc(27.71,13.44) 27.73,13.42 28.06,13.23 arc(28.1,13.21) 28.15,13.19 28.24,13.15 arc(28.29,13.13) 28.34,13.12 28.44,13.1 34.1,11.77 34.38,11.7 arc(34.52,11.67) 34.65,11.62 34.92,11.52 arc(35.05,11.46) 35.18,11.4 39.17,9.26 39.33,9.17 arc(39.41,9.13) 39.49,9.07 39.63,8.95 arc(39.7,8.89) 39.77,8.82 39.89,8.68 J1.5
/MCU_TX: length 33.6
  Top w0.2: v2(28.7,14.42) 27.23,12.18 27.22,12.16 arc(27.21,12.15) 27.21,12.14 27.19,12.12 arc(27.19,12.11) 27.18,12.1 27.11,11.97 arc(27.09,11.91) 27.07,11.86 27.04,11.74 arc(27.03,11.69) 27.02,11.63 27.02,11.52 arc(27.02,11.47) 27.02,11.42 R17.2 ; U1.30 17.65,15 arc(17.63,15) 17.62,15 arc(17.61,15) 17.59,15 v2(17.08,14.98)
  Bottom w0.2: J1.6 42.43,8.68 42.31,8.82 arc(42.24,8.89) 42.17,8.95 42.03,9.07 arc(41.95,9.13) 41.87,9.17 41.71,9.26 36.02,12.31 35.73,12.47 arc(35.58,12.54) 35.43,12.61 35.12,12.73 arc(34.97,12.78) 34.81,12.83 34.49,12.91 v2(28.7,14.42) 26.54,15.38 arc(26.33,15.46) 26.11,15.53 25.66,15.63 arc(25.43,15.67) 25.21,15.69 24.75,15.7 22.92,15.76 22.74,15.77 arc(22.64,15.77) 22.55,15.78 22.37,15.79 arc(22.28,15.8) 22.19,15.81 22,15.84 20.21,16.06 arc(20.05,16.07) 19.89,16.08 19.56,16.09 arc(19.4,16.08) 19.24,16.07 19.09,16.06 arc(19.07,16.06) 19.06,16.05 arc(19.05,16.05) 19.04,16.05 18.98,16.05 arc(18.91,16.03) 18.84,16 18.72,15.93 arc(18.66,15.89) 18.61,15.84 18.46,15.66 arc(18.37,15.56) 18.26,15.47 18.03,15.32 arc(17.91,15.25) 17.78,15.2 v2(17.08,14.98)
/Mute_Mic: length 45.7
  Top w0.2: v2(14.51,21.03) 14.56,21.27 arc(14.57,21.29) 14.57,21.31 14.57,21.36 arc(14.57,21.38) 14.57,21.41 14.57,21.48 arc(14.58,21.53) 14.58,21.58 14.59,21.64 arc(14.61,21.75) 14.61,21.86 C34.1 ; U1.12 10.31,12.5 arc(10.36,12.5) 10.42,12.51 10.49,12.53 arc(10.52,12.53) 10.54,12.54 10.58,12.56 arc(10.6,12.57) 10.62,12.58 10.66,12.61 10.87,12.75 arc(10.88,12.76) 10.88,12.77 10.89,12.77 arc(10.89,12.77) 10.9,12.78 arc(10.91,12.78) 10.91,12.78 10.92,12.79 arc(10.93,12.8) 10.94,12.81 11.23,13 arc(11.27,13.03) 11.31,13.06 arc(11.35,13.09) 11.4,13.11 11.43,13.13 arc(11.48,13.16) 11.53,13.2 arc(11.58,13.23) 11.63,13.26 11.9,13.45 arc(11.98,13.51) 12.06,13.58 12.21,13.72 arc(12.28,13.79) 12.34,13.87 12.66,14.29 12.78,14.44 arc(12.83,14.53) 12.88,14.61 12.97,14.79 arc(13.01,14.88) 13.05,14.97 13.18,15.4 13.21,15.47 arc(13.22,15.5) 13.23,15.53 13.26,15.6 arc(13.28,15.63) 13.3,15.66 v2(13.62,16.15) ; SW4.2 38.45,24.85 arc(38.26,24.82) 38.1,24.72 37.84,24.49 arc(37.84,24.49) 37.84,24.49 arc(37.84,24.49) 37.84,24.48 37.84,24.48 arc(37.84,24.48) 37.84,24.48 37.84,24.47 arc(37.83,24.47) 37.83,24.47 arc(37.83,24.47) 37.83,24.47 37.83,24.46 arc(37.83,24.46) 37.83,24.45 37.83,24.4 arc(37.82,24.34) 37.8,24.29 37.75,24.18 arc(37.72,24.13) 37.68,24.09 37.52,23.93 arc(37.47,23.89) 37.43,23.87 37.32,23.82 arc(37.27,23.8) 37.21,23.79 37.11,23.78 arc(37.1,23.78) 37.09,23.78 37.08,23.78 arc(37.07,23.77) 37.06,23.77 36.47,23.77 arc(36.45,23.77) 36.43,23.78 36.43,23.78 arc(36.41,23.78) 36.4,23.78 arc(36.39,23.78) 36.38,23.78 36.37,23.78 arc(36.35,23.78) 36.33,23.78 36.29,23.78 arc(36.26,23.78) 36.24,23.78 36.2,23.78 31.32,23.69 31.07,23.69 arc(30.94,23.68) 30.81,23.65 30.56,23.59 arc(30.44,23.55) 30.32,23.5 30.13,23.4 arc(30.06,23.37) 29.99,23.35 29.84,23.32 arc(29.77,23.31) 29.7,23.31 29.61,23.31 arc(29.61,23.31) 29.6,23.31 29.58,23.31 arc(29.55,23.31) 29.52,23.31 28.97,23.31 arc(28.95,23.31) 28.93,23.31 28.92,23.31 arc(28.9,23.31) 28.88,23.31 arc(28.86,23.31) 28.84,23.31 28.84,23.31 arc(28.82,23.32) 28.79,23.32 28.75,23.32 arc(28.75,23.32) 28.74,23.32 arc(28.73,23.32) 28.72,23.32 27.43,23.44 27.33,23.45 arc(27.27,23.46) 27.22,23.46 27.11,23.46 arc(27.06,23.46) 27.01,23.45 26.9,23.44 v2(26.54,23.4)